# Allegro board HB1A-AAFM.brd (continued)
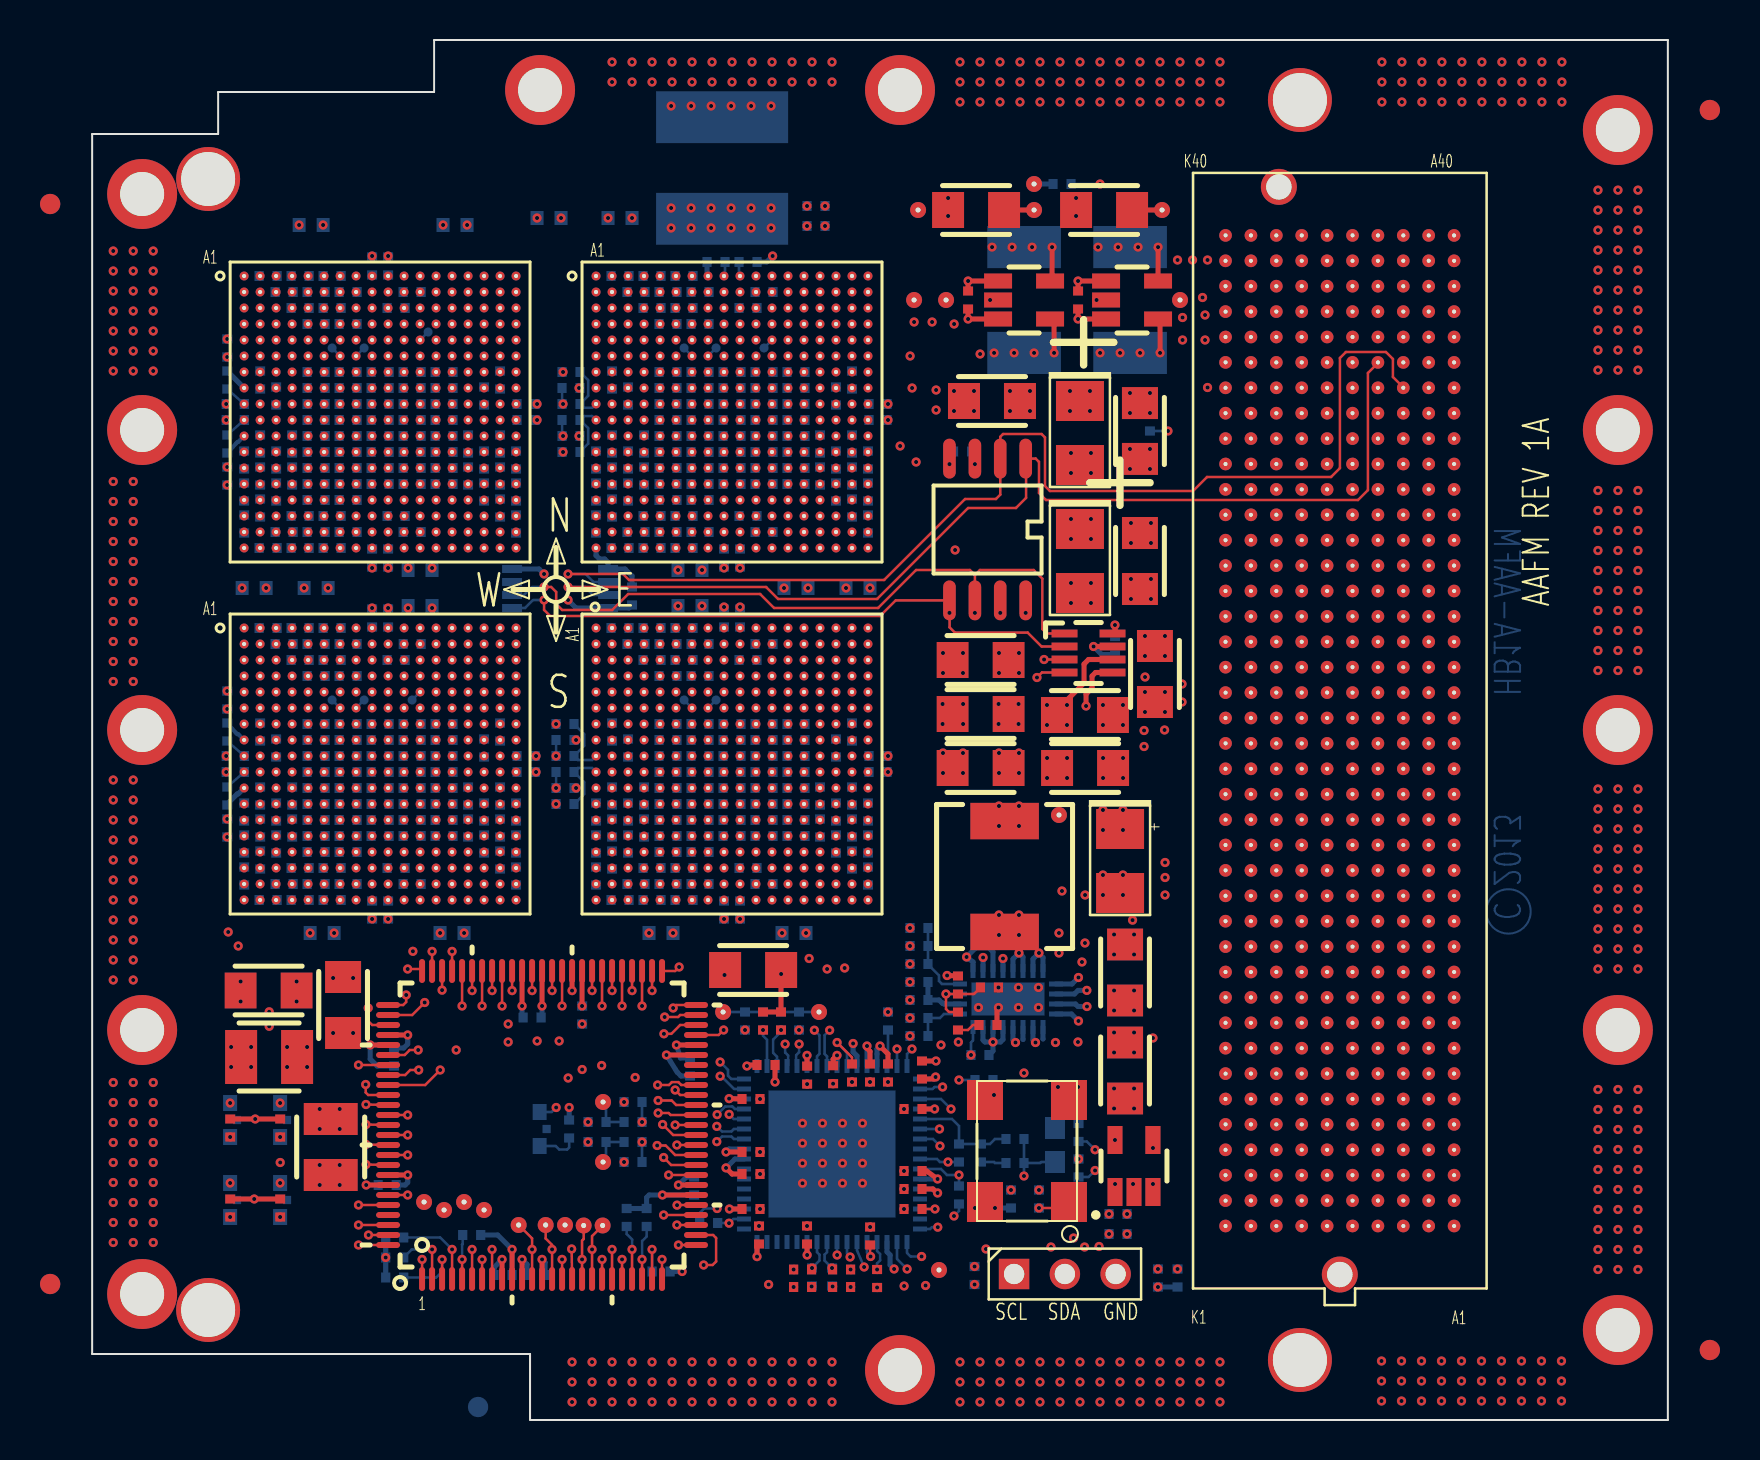
[diagram p0: board, top side]
## Routing (per net, layer and track width the routed paths; a pad name or vN(x,y) marks a point on that pad's centre or on a via; arc(x,y) is an arc through that point) (continued)
  GND_L13 w0.254: U8.G10 32.72,34.48 ; U8.G10 32.72,35.12 ; U8.G10 32.08,35.12 ; U8.G10 32.08,34.48 ; U7.K7 12.73,32.73 ; U7.K7 12.07,32.73 ; U7.K7 12.07,32.08 ; U7.K7 12.73,32.08 ; 33.67,52.08 U4.G12 ; U4.G12 34.33,52.08 ; U4.G12 34.33,52.73 ; U4.G12 33.67,52.73 ; 63.91,39.79 P1.D25 ; P1.D25 64.69,40.57 ; P1.D25 64.69,39.79 ; P1.D25 63.91,40.57 ; 12.88,29.68 U7.N8 ; U7.N8 13.52,30.32 ; U7.N8 12.88,30.32 ; U7.N8 13.52,29.68 ; U7.R15 19.12,28.73 ; U7.R15 19.12,28.07 ; U7.R15 18.48,28.07 ; U7.R15 18.48,28.73 ; 61.37,11.36 P1.F2 ; P1.F2 62.15,11.36 ; P1.F2 62.15,10.58 ; P1.F2 61.37,10.58 ; 8.88,38.33 U7.C3 ; U7.C3 9.52,37.67 ; U7.C3 8.88,37.67 ; U7.C3 9.52,38.33 ; P1.K33 57.07,50.73 ; P1.K33 56.29,49.95 ; P1.K33 56.29,50.73 ; P1.K33 57.07,49.95 ; U3.T3 9.52,45.52 ; U3.T3 8.88,45.52 ; U3.T3 8.88,44.88 ; U3.T3 9.52,44.88 ; 63.91,20.74 P1.D10 ; P1.D10 64.69,21.52 ; P1.D10 63.91,21.52 ; P1.D10 64.69,20.74 ; 13.67,50.33 U3.K9 ; U3.K9 14.32,50.33 ; U3.K9 13.67,49.67 ; U3.K9 14.32,49.67 ; 11.27,30.32 U7.N6 ; U7.N6 11.27,29.68 ; U7.N6 11.92,29.68 ; U7.N6 11.92,30.32 ; U4.M13 35.12,48.08 ; U4.M13 35.12,48.73 ; U4.M13 34.47,48.08 ; U4.M13 34.47,48.73 ; U8.U2 26.32,27.12 ; U8.U2 25.67,27.12 ; U8.U2 26.32,26.48 ; U8.U2 25.67,26.48 ; 50.48,8 J1.3 ; J1.3 51.89,6.6 ; J1.3 51.89,8 ; J1.3 50.48,6.6 ; 58.83,46.14 P1.H30 ; P1.H30 58.83,46.92 ; P1.H30 59.61,46.14 ; P1.H30 59.61,46.92 ; 12.88,43.92 U3.V8 ; U3.V8 12.88,43.27 ; U3.V8 13.52,43.27 ; U3.V8 13.52,43.92 ; U8.G6 29.52,35.12 ; U8.G6 29.52,34.48 ; U8.G6 28.88,35.12 ; U8.G6 28.88,34.48 ; U3.U2 8.73,44.08 ; U3.U2 8.07,44.73 ; U3.U2 8.07,44.08 ; U3.U2 8.73,44.73 ; 17.67,54.33 U3.E14 ; U3.E14 18.32,54.33 ; U3.E14 17.67,53.67 ; U3.E14 18.32,53.67 ; 61.37,23.28 P1.F12 ; P1.F12 62.15,23.28 ; P1.F12 62.15,24.06 ; P1.F12 61.37,24.06 ; 16.07,52.08 U3.G12 ; U3.G12 16.73,52.08 ; U3.G12 16.73,52.73 ; U3.G12 16.07,52.73 ; P1.A24 68.5,38.52 ; P1.A24 67.72,39.3 ; P1.A24 67.72,38.52 ; P1.A24 68.5,39.3 ; P1.A12 68.5,23.28 ; P1.A12 67.72,24.06 ; P1.A12 68.5,24.06 ; P1.A12 67.72,23.28 ; U8.P7 30.32,29.52 ; U8.P7 29.67,28.88 ; U8.P7 29.67,29.52 ; U8.P7 30.32,28.88 ; 28.07,31.12 U8.M5 ; U8.M5 28.72,31.12 ; U8.M5 28.72,30.48 ; U8.M5 28.07,30.48 ; U4.M11 33.52,48.08 ; U4.M11 32.88,48.08 ; U4.M11 33.52,48.73 ; U4.M11 32.88,48.73 ; P1.C12 65.96,23.28 ; P1.C12 65.18,24.06 ; P1.C12 65.96,24.06 ; P1.C12 65.18,23.28 ; 31.27,32.08 U8.K9 ; U8.K9 31.92,32.08 ; U8.K9 31.27,32.73 ; U8.K9 31.92,32.73 ; 62.64,22.79 P1.E11 ; P1.E11 63.42,22.79 ; P1.E11 63.42,22.01 ; P1.E11 62.64,22.01 ; 16.88,34.33 U7.H13 ; U7.H13 17.52,34.33 ; U7.H13 16.88,33.67 ; U7.H13 17.52,33.67 ; 57.56,29.63 P1.J17 ; P1.J17 58.34,29.63 ; P1.J17 58.34,30.41 ; P1.J17 57.56,30.41 ; U3.A18 21.52,56.88 ; U3.A18 21.52,57.52 ; U3.A18 20.88,56.88 ; U3.A18 20.88,57.52 ; 14.48,51.12 U3.J10 ; U3.J10 15.12,50.48 ; U3.J10 14.48,50.48 ; U3.J10 15.12,51.12 ; U4.N12 34.33,47.92 ; U4.N12 33.67,47.92 ; U4.N12 34.33,47.27 ; U4.N12 33.67,47.27 ; 65.18,58.84 P1.C40 ; P1.C40 65.96,58.84 ; P1.C40 65.18,59.62 ; P1.C40 65.96,59.62 ; 8.07,38.48 U7.B2 ; U7.B2 8.73,39.12 ; U7.B2 8.07,39.12 ; U7.B2 8.73,38.48 ; U4.K13 35.12,50.33 ; U4.K13 34.47,49.67 ; U4.K13 34.47,50.33 ; U4.K13 35.12,49.67 ; 16.88,36.08 U7.E13 ; U7.E13 16.88,36.73 ; U7.E13 17.52,36.08 ; U7.E13 17.52,36.73 ; U3.F13 17.52,53.52 ; U3.F13 16.88,52.88 ; U3.F13 17.52,52.88 ; U3.F13 16.88,53.52 ; 62.64,15.17 P1.E5 ; P1.E5 62.64,14.39 ; P1.E5 63.42,14.39 ; P1.E5 63.42,15.17 ; U4.V1 25.52,43.27 ; U4.V1 24.88,43.92 ; U4.V1 24.88,43.27 ; U4.V1 25.52,43.92 ; 11.27,31.27 U7.L6 ; U7.L6 11.27,31.93 ; U7.L6 11.92,31.93 ; U7.L6 11.92,31.27 ; 61.37,50.73 P1.F33 ; P1.F33 62.15,49.95 ; P1.F33 62.15,50.73 ; P1.F33 61.37,49.95 ; U7.H7 12.73,34.33 ; U7.H7 12.07,33.67 ; U7.H7 12.07,34.33 ; U7.H7 12.73,33.67 ; P1.F15 62.15,27.09 ; P1.F15 62.15,27.87 ; P1.F15 61.37,27.87 ; P1.F15 61.37,27.09 ; 36.88,37.67 U8.C16 ; U8.C16 36.88,38.33 ; U8.C16 37.52,37.67 ; U8.C16 37.52,38.33 ; U3.H13 17.52,51.27 ; U3.H13 17.52,51.92 ; U3.H13 16.88,51.27 ; U3.H13 16.88,51.92 ; 66.45,16.93 P1.B7 ; P1.B7 67.23,16.93 ; P1.B7 66.45,17.71 ; P1.B7 67.23,17.71 ; 13.67,48.08 U3.M9 ; U3.M9 14.32,48.08 ; U3.M9 14.32,48.73 ; U3.M9 13.67,48.73 ; U3.N6 11.92,47.92 ; U3.N6 11.92,47.27 ; U3.N6 11.27,47.92 ; U3.N6 11.27,47.27 ; 14.48,31.93 U7.L10 ; U7.L10 15.12,31.27 ; U7.L10 15.12,31.93 ; U7.L10 14.48,31.27 ; U8.V18 39.12,26.32 ; U8.V18 39.12,25.68 ; U8.V18 38.47,26.32 ; U8.V18 38.47,25.68 ; 63.91,43.6 P1.D28 ; P1.D28 63.91,44.38 ; P1.D28 64.69,44.38 ; P1.D28 64.69,43.6 ; 29.67,33.67 U8.H7 ; U8.H7 30.32,33.67 ; U8.H7 30.32,34.33 ; U8.H7 29.67,34.33 ; U7.P13 17.52,29.52 ; U7.P13 17.52,28.88 ; U7.P13 16.88,29.52 ; U7.P13 16.88,28.88 ; 66.45,11.36 P1.B2 ; P1.B2 66.45,10.58 ; P1.B2 67.23,11.36 ; P1.B2 67.23,10.58 ; U8.K7 30.32,32.08 ; U8.K7 29.67,32.08 ; U8.K7 29.67,32.73 ; U8.K7 30.32,32.73 ; 29.67,31.12 U8.M7 ; U8.M7 30.32,31.12 ; U8.M7 29.67,30.48 ; U8.M7 30.32,30.48 ; 34.47,53.67 U4.E13 ; U4.E13 34.47,54.33 ; U4.E13 35.12,53.67 ; U4.E13 35.12,54.33 ; U3.P7 12.73,47.12 ; U3.P7 12.07,47.12 ; U3.P7 12.73,46.48 ; U3.P7 12.07,46.48 ; U3.G10 15.12,52.08 ; U3.G10 14.48,52.08 ; U3.G10 15.12,52.73 ; U3.G10 14.48,52.73 ; 15.27,50.33 U3.K11 ; U3.K11 15.92,49.67 ; U3.K11 15.27,49.67 ; U3.K11 15.92,50.33 ; P1.A25 68.5,39.79 ; P1.A25 68.5,40.57 ; P1.A25 67.72,40.57 ; P1.A25 67.72,39.79 ; P1.G17 60.88,29.63 ; P1.G17 60.1,30.41 ; P1.G17 60.88,30.41 ; P1.G17 60.1,29.63 ; U4.L8 31.12,49.52 ; U4.L8 30.47,48.88 ; U4.L8 31.12,48.88 ; U4.L8 30.47,49.52 ; P1.B15 67.23,27.87 ; P1.B15 66.45,27.09 ; P1.B15 67.23,27.09 ; P1.B15 66.45,27.87 ; 28.88,54.33 U4.E6 ; U4.E6 29.52,53.67 ; U4.E6 29.52,54.33 ; U4.E6 28.88,53.67 ; P1.A1 68.5,10.09 ; P1.A1 67.72,9.31 ; P1.A1 67.72,10.09 ; P1.A1 68.5,9.31 ; P1.A21 68.5,34.71 ; P1.A21 67.72,34.71 ; P1.A21 67.72,35.49 ; P1.A21 68.5,35.49 ; U8.K5 28.72,32.73 ; U8.K5 28.07,32.73 ; U8.K5 28.07,32.08 ; U8.K5 28.72,32.08 ; U4.K9 31.92,50.33 ; U4.K9 31.27,49.67 ; U4.K9 31.27,50.33 ; U4.K9 31.92,49.67 ; 16.07,30.32 U7.N12 ; U7.N12 16.07,29.68 ; U7.N12 16.73,30.32 ; U7.N12 16.73,29.68 ; U8.E13 35.12,36.73 ; U8.E13 34.47,36.73 ; U8.E13 34.47,36.08 ; U8.E13 35.12,36.08 ; U7.R4 10.32,28.73 ; U7.R4 9.67,28.73 ; U7.R4 10.32,28.07 ; U7.R4 9.67,28.07 ; P1.A16 68.5,29.14 ; P1.A16 67.72,28.36 ; P1.A16 67.72,29.14 ; P1.A16 68.5,28.36 ; 28.88,35.27 U8.F6 ; U8.F6 28.88,35.92 ; U8.F6 29.52,35.27 ; U8.F6 29.52,35.92 ; 34.47,51.27 U4.H13 ; U4.H13 35.12,51.92 ; U4.H13 35.12,51.27 ; U4.H13 34.47,51.92 ; U8.D4 27.92,36.88 ; U8.D4 27.27,37.52 ; U8.D4 27.27,36.88 ; U8.D4 27.92,37.52 ; P1.E20 63.42,34.22 ; P1.E20 62.64,34.22 ; P1.E20 62.64,33.44 ; P1.E20 63.42,33.44 ; P1.E26 63.42,41.06 ; P1.E26 62.64,41.84 ; P1.E26 62.64,41.06 ; P1.E26 63.42,41.84 ; P1.K9 57.07,20.25 ; P1.K9 56.29,19.47 ; P1.K9 56.29,20.25 ; P1.K9 57.07,19.47 ; 35.27,32.88 U8.J14 ; U8.J14 35.92,32.88 ; U8.J14 35.27,33.52 ; U8.J14 35.92,33.52 ; 15.27,48.08 U3.M11 ; U3.M11 15.27,48.73 ; U3.M11 15.92,48.08 ; U3.M11 15.92,48.73 ; U4.C16 37.52,55.27 ; U4.C16 36.88,55.92 ; U4.C16 36.88,55.27 ; U4.C16 37.52,55.92 ; U4.T16 37.52,45.52 ; U4.T16 36.88,45.52 ; U4.T16 37.52,44.88 ; U4.T16 36.88,44.88 ; 31.27,31.12 U8.M9 ; U8.M9 31.92,30.48 ; U8.M9 31.27,30.48 ; U8.M9 31.92,31.12 ; 34.47,52.88 U4.F13 ; U4.F13 34.47,53.52 ; U4.F13 35.12,52.88 ; U4.F13 35.12,53.52 ; P1.J38 58.34,57.08 ; P1.J38 57.56,56.3 ; P1.J38 57.56,57.08 ; P1.J38 58.34,56.3 ; U7.V8 13.52,25.68 ; U7.V8 13.52,26.32 ; U7.V8 12.88,25.68 ; U7.V8 12.88,26.32 ; U7.L8 13.52,31.93 ; U7.L8 13.52,31.27 ; U7.L8 12.88,31.27 ; U7.L8 12.88,31.93 ; 37.67,44.08 U4.U17 ; U4.U17 37.67,44.73 ; U4.U17 38.33,44.73 ; U4.U17 38.33,44.08 ; 28.88,50.48 U4.J6 ; U4.J6 29.52,50.48 ; U4.J6 29.52,51.12 ; U4.J6 28.88,51.12 ; 28.07,51.92 U4.H5 ; U4.H5 28.72,51.92 ; U4.H5 28.07,51.27 ; U4.H5 28.72,51.27 ; 57.56,41.84 P1.J26 ; P1.J26 58.34,41.06 ; P1.J26 58.34,41.84 ; P1.J26 57.56,41.06 ; P1.D2 64.69,10.58 ; P1.D2 63.91,10.58 ; P1.D2 63.91,11.36 ; P1.D2 64.69,11.36 ; 30.47,30.32 U8.N8 ; U8.N8 31.12,29.68 ; U8.N8 31.12,30.32 ; U8.N8 30.47,29.68 ; U7.P5 11.12,29.52 ; U7.P5 10.48,29.52 ; U7.P5 11.12,28.88 ; U7.P5 10.48,28.88 ; 65.18,34.71 P1.C21 ; P1.C21 65.96,34.71 ; P1.C21 65.18,35.49 ; P1.C21 65.96,35.49 ; U7.T16 19.92,27.27 ; U7.T16 19.92,27.93 ; U7.T16 19.27,27.93 ; U7.T16 19.27,27.27 ; P1.H3 59.61,11.85 ; P1.H3 58.83,11.85 ; P1.H3 59.61,12.63 ; P1.H3 58.83,12.63 ; 32.08,47.92 U4.N10 ; U4.N10 32.72,47.92 ; U4.N10 32.08,47.27 ; U4.N10 32.72,47.27 ; U3.N12 16.73,47.27 ; U3.N12 16.07,47.92 ; U3.N12 16.73,47.92 ; U3.N12 16.07,47.27 ; U3.F6 11.92,52.88 ; U3.F6 11.27,53.52 ; U3.F6 11.27,52.88 ; U3.F6 11.92,53.52 ; P1.C32 65.96,48.68 ; P1.C32 65.18,48.68 ; P1.C32 65.18,49.46 ; P1.C32 65.96,49.46 ; P1.B23 67.23,37.25 ; P1.B23 67.23,38.03 ; P1.B23 66.45,38.03 ; P1.B23 66.45,37.25 ; 17.67,52.73 U3.G14 ; U3.G14 17.67,52.08 ; U3.G14 18.32,52.08 ; U3.G14 18.32,52.73 ; 67.72,24.55 P1.A13 ; P1.A13 68.5,25.33 ; P1.A13 68.5,24.55 ; P1.A13 67.72,25.33 ; U7.M7 12.73,30.48 ; U7.M7 12.07,31.12 ; U7.M7 12.07,30.48 ; U7.M7 12.73,31.12 ; U7.J8 13.52,32.88 ; U7.J8 12.88,32.88 ; U7.J8 13.52,33.52 ; U7.J8 12.88,33.52 ; U8.E6 29.52,36.73 ; U8.E6 28.88,36.08 ; U8.E6 28.88,36.73 ; U8.E6 29.52,36.08 ; 20.88,33.67 U7.H18 ; U7.H18 20.88,34.33 ; U7.H18 21.52,33.67 ; U7.H18 21.52,34.33 ; P1.C13 65.96,24.55 ; P1.C13 65.96,25.33 ; P1.C13 65.18,24.55 ; P1.C13 65.18,25.33 ; P1.K6 57.07,15.66 ; P1.K6 56.29,16.44 ; P1.K6 57.07,16.44 ; P1.K6 56.29,15.66 ; 17.67,50.48 U3.J14 ; U3.J14 17.67,51.12 ; U3.J14 18.32,50.48 ; U3.J14 18.32,51.12 ; U3.K13 17.52,50.33 ; U3.K13 16.88,49.67 ; U3.K13 16.88,50.33 ; U3.K13 17.52,49.67 ; U7.V11 15.92,25.68 ; U7.V11 15.27,25.68 ; U7.V11 15.92,26.32 ; U7.V11 15.27,26.32 ; 65.18,39.3 P1.C24 ; P1.C24 65.96,38.52 ; P1.C24 65.18,38.52 ; P1.C24 65.96,39.3 ; P1.F27 62.15,43.11 ; P1.F27 62.15,42.33 ; P1.F27 61.37,43.11 ; P1.F27 61.37,42.33 ; U8.R4 27.92,28.07 ; U8.R4 27.27,28.73 ; U8.R4 27.27,28.07 ; U8.R4 27.92,28.73 ; P1.H15 59.61,27.09 ; P1.H15 58.83,27.87 ; P1.H15 58.83,27.09 ; P1.H15 59.61,27.87 ; 24.88,31.93 U8.L1 ; U8.L1 25.52,31.93 ; U8.L1 24.88,31.27 ; U8.L1 25.52,31.27 ; U7.G6 11.92,34.48 ; U7.G6 11.92,35.12 ; U7.G6 11.27,34.48 ; U7.G6 11.27,35.12 ; U4.K7 30.32,50.33 ; U4.K7 30.32,49.67 ; U4.K7 29.67,50.33 ; U4.K7 29.67,49.67 ; U4.J8 31.12,50.48 ; U4.J8 30.47,50.48 ; U4.J8 31.12,51.12 ; U4.J8 30.47,51.12 ; U8.E14 35.92,36.08 ; U8.E14 35.27,36.08 ; U8.E14 35.27,36.73 ; U8.E14 35.92,36.73 ; U7.A8 13.52,39.92 ; U7.A8 12.88,39.92 ; U7.A8 13.52,39.27 ; U7.A8 12.88,39.27 ; 7.27,48.88 U3.L1 ; U3.L1 7.92,48.88 ; U3.L1 7.27,49.52 ; U3.L1 7.92,49.52 ; U4.V11 33.52,43.92 ; U4.V11 32.88,43.92 ; U4.V11 32.88,43.27 ; U4.V11 33.52,43.27 ; U4.L6 29.52,49.52 ; U4.L6 28.88,49.52 ; U4.L6 29.52,48.88 ; U4.L6 28.88,48.88 ; 8.88,27.27 U7.T3 ; U7.T3 8.88,27.93 ; U7.T3 9.52,27.27 ; U7.T3 9.52,27.93 ; U8.N6 29.52,29.68 ; U8.N6 28.88,29.68 ; U8.N6 28.88,30.32 ; U8.N6 29.52,30.32 ; P1.E38 63.42,57.08 ; P1.E38 63.42,56.3 ; P1.E38 62.64,57.08 ; P1.E38 62.64,56.3 ; 12.07,49.67 U3.K7 ; U3.K7 12.73,50.33 ; U3.K7 12.73,49.67 ; U3.K7 12.07,50.33 ; U4.M7 30.32,48.73 ; U4.M7 29.67,48.73 ; U4.M7 29.67,48.08 ; U4.M7 30.32,48.08 ; U4.L1 25.52,49.52 ; U4.L1 24.88,49.52 ; U4.L1 24.88,48.88 ; U4.L1 25.52,48.88 ; P1.A17 68.5,29.63 ; P1.A17 68.5,30.41 ; P1.A17 67.72,29.63 ; P1.A17 67.72,30.41 ; 9.67,45.67 U3.R4 ; U3.R4 9.67,46.33 ; U3.R4 10.32,45.67 ; U3.R4 10.32,46.33 ; TP9.1 41.75,60.05 ; TP9.1 40.86,60.05 ; TP9.1 40.86,60.95 ; TP9.1 41.75,60.95 ; U4.E14 35.92,54.33 ; U4.E14 35.27,53.67 ; U4.E14 35.92,53.67 ; U4.E14 35.27,54.33 ; 17.67,34.48 U7.G14 ; U7.G14 18.32,34.48 ; U7.G14 18.32,35.12 ; U7.G14 17.67,35.12 ; 12.88,56.88 U3.A8 ; U3.A8 13.52,56.88 ; U3.A8 13.52,57.52 ; U3.A8 12.88,57.52 ; 8.07,26.48 U7.U2 ; U7.U2 8.07,27.12 ; U7.U2 8.73,27.12 ; U7.U2 8.73,26.48 ; U3.C3 9.52,55.27 ; U3.C3 8.88,55.27 ; U3.C3 8.88,55.92 ; U3.C3 9.52,55.92 ; U8.V11 33.52,26.32 ; U8.V11 33.52,25.68 ; U8.V11 32.88,25.68 ; U8.V11 32.88,26.32 ; P1.F3 62.15,11.85 ; P1.F3 62.15,12.63 ; P1.F3 61.37,11.85 ; P1.F3 61.37,12.63 ; 7.27,39.27 U7.A1 ; U7.A1 7.27,39.92 ; U7.A1 7.92,39.27 ; U7.A1 7.92,39.92 ; P1.D7 64.69,17.71 ; P1.D7 63.91,16.93 ; P1.D7 63.91,17.71 ; P1.D7 64.69,16.93 ; 16.88,54.33 U3.E13 ; U3.E13 16.88,53.67 ; U3.E13 17.52,53.67 ; U3.E13 17.52,54.33 ; U4.G6 29.52,52.08 ; U4.G6 28.88,52.73 ; U4.G6 28.88,52.08 ; U4.G6 29.52,52.73 ; U7.J14 18.32,33.52 ; U7.J14 17.67,33.52 ; U7.J14 17.67,32.88 ; U7.J14 18.32,32.88 ; 38.47,39.27 U8.A18 ; U8.A18 39.12,39.27 ; U8.A18 38.47,39.92 ; U8.A18 39.12,39.92 ; U8.G12 34.33,35.12 ; U8.G12 34.33,34.48 ; U8.G12 33.67,35.12 ; U8.G12 33.67,34.48 ; 61.37,54.54 P1.F36 ; P1.F36 61.37,53.76 ; P1.F36 62.15,53.76 ; P1.F36 62.15,54.54 ; P1.B3 67.23,11.85 ; P1.B3 66.45,11.85 ; P1.B3 67.23,12.63 ; P1.B3 66.45,12.63 ; P1.J14 58.34,25.82 ; P1.J14 57.56,26.6 ; P1.J14 57.56,25.82 ; P1.J14 58.34,26.6 ; P1.E14 63.42,26.6 ; P1.E14 62.64,25.82 ; P1.E14 63.42,25.82 ; P1.E14 62.64,26.6 ; U4.L14 35.92,49.52 ; U4.L14 35.27,48.88 ; U4.L14 35.27,49.52 ; U4.L14 35.92,48.88 ; 28.07,28.88 U8.P5 ; U8.P5 28.07,29.52 ; U8.P5 28.72,29.52 ; U8.P5 28.72,28.88 ; 10.48,46.48 U3.P5 ; U3.P5 11.12,47.12 ; U3.P5 11.12,46.48 ; U3.P5 10.48,47.12 ; 61.37,15.66 P1.F6 ; P1.F6 62.15,16.44 ; P1.F6 62.15,15.66 ; P1.F6 61.37,16.44 ; 60.1,58.84 P1.G40 ; P1.G40 60.88,58.84 ; P1.G40 60.1,59.62 ; P1.G40 60.88,59.62 ; 62.64,13.12 P1.E4 ; P1.E4 62.64,13.9 ; P1.E4 63.42,13.9 ; P1.E4 63.42,13.12 ; 28.07,52.88 U4.F5 ; U4.F5 28.07,53.52 ; U4.F5 28.72,52.88 ; U4.F5 28.72,53.52 ; U8.H18 39.12,34.33 ; U8.H18 38.47,33.67 ; U8.H18 39.12,33.67 ; U8.H18 38.47,34.33 ; P1.B39 67.23,57.57 ; P1.B39 66.45,57.57 ; P1.B39 66.45,58.35 ; P1.B39 67.23,58.35 ; P1.G1 60.88,9.31 ; P1.G1 60.1,9.31 ; P1.G1 60.88,10.09 ; P1.G1 60.1,10.09 ; 12.88,49.52 U3.L8 ; U3.L8 13.52,49.52 ; U3.L8 13.52,48.88 ; U3.L8 12.88,48.88 ; 31.27,51.92 U4.H9 ; U4.H9 31.27,51.27 ; U4.H9 31.92,51.27 ; U4.H9 31.92,51.92 ; P1.J8 58.34,18.98 ; P1.J8 58.34,18.2 ; P1.J8 57.56,18.2 ; P1.J8 57.56,18.98 ; P1.B14 67.23,25.82 ; P1.B14 66.45,26.6 ; P1.B14 66.45,25.82 ; P1.B14 67.23,26.6 ; 38.47,43.27 U4.V18 ; U4.V18 39.12,43.27 ; U4.V18 39.12,43.92 ; U4.V18 38.47,43.92 ; U8.E5 28.72,36.08 ; U8.E5 28.07,36.08 ; U8.E5 28.72,36.73 ; U8.E5 28.07,36.73 ; 56.29,54.54 P1.K36 ; P1.K36 57.07,54.54 ; P1.K36 57.07,53.76 ; P1.K36 56.29,53.76 ; 57.56,22.79 P1.J11 ; P1.J11 57.56,22.01 ; P1.J11 58.34,22.01 ; P1.J11 58.34,22.79 ; 65.18,56.3 P1.C38 ; P1.C38 65.96,57.08 ; P1.C38 65.18,57.08 ; P1.C38 65.96,56.3 ; 35.27,52.88 U4.F14 ; U4.F14 35.92,52.88 ; U4.F14 35.27,53.52 ; U4.F14 35.92,53.52 ; 30.47,47.92 U4.N8 ; U4.N8 31.12,47.27 ; U4.N8 31.12,47.92 ; U4.N8 30.47,47.27 ; 63.91,16.44 P1.D6 ; P1.D6 64.69,16.44 ; P1.D6 64.69,15.66 ; P1.D6 63.91,15.66 ; U3.P9 14.32,46.48 ; U3.P9 13.67,46.48 ; U3.P9 14.32,47.12 ; U3.P9 13.67,47.12 ; P1.A5 68.5,14.39 ; P1.A5 67.72,15.17 ; P1.A5 68.5,15.17 ; P1.A5 67.72,14.39 ; U3.H18 21.52,51.27 ; U3.H18 20.88,51.27 ; U3.H18 21.52,51.92 ; U3.H18 20.88,51.92 ; 31.27,46.48 U4.P9 ; U4.P9 31.92,46.48 ; U4.P9 31.27,47.12 ; U4.P9 31.92,47.12 ; U7.A11 15.92,39.27 ; U7.A11 15.27,39.92 ; U7.A11 15.27,39.27 ; U7.A11 15.92,39.92 ; U7.J12 16.73,32.88 ; U7.J12 16.07,32.88 ; U7.J12 16.73,33.52 ; U7.J12 16.07,33.52 ; U3.D4 10.32,55.12 ; U3.D4 10.32,54.48 ; U3.D4 9.67,54.48 ; U3.D4 9.67,55.12 ; U3.F5 11.12,52.88 ; U3.F5 11.12,53.52 ; U3.F5 10.48,52.88 ; U3.F5 10.48,53.52 ; P1.G35 60.88,52.49 ; P1.G35 60.1,53.27 ; P1.G35 60.88,53.27 ; P1.G35 60.1,52.49 ; 28.07,54.33 U4.E5 ; U4.E5 28.07,53.67 ; U4.E5 28.72,53.67 ; U4.E5 28.72,54.33 ; U7.K11 15.92,32.73 ; U7.K11 15.92,32.08 ; U7.K11 15.27,32.73 ; U7.K11 15.27,32.08 ; U7.L18 21.52,31.27 ; U7.L18 20.88,31.27 ; U7.L18 21.52,31.93 ; U7.L18 20.88,31.93 ; 34.47,32.73 U8.K13 ; U8.K13 35.12,32.73 ; U8.K13 35.12,32.08 ; U8.K13 34.47,32.08 ; 13.67,33.67 U7.H9 ; U7.H9 14.32,34.33 ; U7.H9 14.32,33.67 ; U7.H9 13.67,34.33 ; 28.88,31.93 U8.L6 ; U8.L6 28.88,31.27 ; U8.L6 29.52,31.93 ; U8.L6 29.52,31.27 ; 11.27,51.12 U3.J6 ; U3.J6 11.92,51.12 ; U3.J6 11.92,50.48 ; U3.J6 11.27,50.48 ; U3.H11 15.92,51.92 ; U3.H11 15.27,51.92 ; U3.H11 15.92,51.27 ; U3.H11 15.27,51.27 ; U3.H9 14.32,51.27 ; U3.H9 14.32,51.92 ; U3.H9 13.67,51.27 ; U3.H9 13.67,51.92 ; U4.K11 33.52,49.67 ; U4.K11 32.88,50.33 ; U4.K11 33.52,50.33 ; U4.K11 32.88,49.67 ; U3.T16 19.92,45.52 ; U3.T16 19.27,44.88 ; U3.T16 19.27,45.52 ; U3.T16 19.92,44.88 ; 17.67,29.68 U7.N14 ; U7.N14 18.32,29.68 ; U7.N14 18.32,30.32 ; U7.N14 17.67,30.32 ; 9.67,37.52 U7.D4 ; U7.D4 10.32,36.88 ; U7.D4 10.32,37.52 ; U7.D4 9.67,36.88 ; 29.67,47.12 U4.P7 ; U4.P7 29.67,46.48 ; U4.P7 30.32,46.48 ; U4.P7 30.32,47.12 ; 57.56,13.9 P1.J4 ; P1.J4 58.34,13.12 ; P1.J4 58.34,13.9 ; P1.J4 57.56,13.12 ; U8.J6 29.52,33.52 ; U8.J6 29.52,32.88 ; U8.J6 28.88,33.52 ; U8.J6 28.88,32.88 ; 25.67,44.08 U4.U2 ; U4.U2 26.32,44.08 ; U4.U2 26.32,44.73 ; U4.U2 25.67,44.73 ; P1.B6 67.23,15.66 ; P1.B6 66.45,16.44 ; P1.B6 67.23,16.44 ; P1.B6 66.45,15.66 ; 56.29,43.11 P1.K27 ; P1.K27 57.07,43.11 ; P1.K27 56.29,42.33 ; P1.K27 57.07,42.33 ; 63.91,28.36 P1.D16 ; P1.D16 64.69,29.14 ; P1.D16 64.69,28.36 ; P1.D16 63.91,29.14 ; U7.V18 21.52,26.32 ; U7.V18 21.52,25.68 ; U7.V18 20.88,25.68 ; U7.V18 20.88,26.32 ; 11.27,52.73 U3.G6 ; U3.G6 11.92,52.08 ; U3.G6 11.92,52.73 ; U3.G6 11.27,52.08 ; U4.A11 33.52,57.52 ; U4.A11 33.52,56.88 ; U4.A11 32.88,56.88 ; U4.A11 32.88,57.52 ; P1.C1 65.96,10.09 ; P1.C1 65.96,9.31 ; P1.C1 65.18,9.31 ; P1.C1 65.18,10.09 ; 17.67,31.93 U7.L14 ; U7.L14 17.67,31.27 ; U7.L14 18.32,31.93 ; U7.L14 18.32,31.27 ; P1.G11 60.88,22.79 ; P1.G11 60.88,22.01 ; P1.G11 60.1,22.79 ; P1.G11 60.1,22.01 ; P1.H9 59.61,20.25 ; P1.H9 58.83,20.25 ; P1.H9 59.61,19.47 ; P1.H9 58.83,19.47 ; 20.88,43.92 U3.V18 ; U3.V18 21.52,43.92 ; U3.V18 20.88,43.27 ; U3.V18 21.52,43.27 ; 63.91,55.03 P1.D37 ; P1.D37 63.91,55.81 ; P1.D37 64.69,55.81 ; P1.D37 64.69,55.03 ; 66.45,22.79 P1.B11 ; P1.B11 66.45,22.01 ; P1.B11 67.23,22.01 ; P1.B11 67.23,22.79 ; P1.C9 65.96,20.25 ; P1.C9 65.18,19.47 ; P1.C9 65.18,20.25 ; P1.C9 65.96,19.47 ; U8.D15 36.72,37.52 ; U8.D15 36.08,36.88 ; U8.D15 36.08,37.52 ; U8.D15 36.72,36.88 ; P1.K24 57.07,38.52 ; P1.K24 56.29,39.3 ; P1.K24 56.29,38.52 ; P1.K24 57.07,39.3 ; P1.H33 59.61,50.73 ; P1.H33 58.83,50.73 ; P1.H33 58.83,49.95 ; P1.H33 59.61,49.95 ; 30.47,52.08 U4.G8 ; U4.G8 31.12,52.08 ; U4.G8 31.12,52.73 ; U4.G8 30.47,52.73 ; 57.56,38.03 P1.J23 ; P1.J23 58.34,37.25 ; P1.J23 57.56,37.25 ; P1.J23 58.34,38.03 ; P1.H21 59.61,34.71 ; P1.H21 58.83,34.71 ; P1.H21 59.61,35.49 ; P1.H21 58.83,35.49 ; 62.64,58.84 P1.E40 ; P1.E40 62.64,59.62 ; P1.E40 63.42,59.62 ; P1.E40 63.42,58.84 ; P1.K21 57.07,35.49 ; P1.K21 57.07,34.71 ; P1.K21 56.29,34.71 ; P1.K21 56.29,35.49 ; 18.48,45.67 U3.R15 ; U3.R15 19.12,45.67 ; U3.R15 18.48,46.33 ; U3.R15 19.12,46.33 ; 62.64,49.46 P1.E32 ; P1.E32 63.42,49.46 ; P1.E32 62.64,48.68 ; P1.E32 63.42,48.68 ; 24.88,33.67 U8.H1 ; U8.H1 25.52,33.67 ; U8.H1 24.88,34.33 ; U8.H1 25.52,34.33 ; 17.67,53.52 U3.F14 ; U3.F14 18.32,53.52 ; U3.F14 18.32,52.88 ; U3.F14 17.67,52.88 ; U3.H1 7.92,51.92 ; U3.H1 7.92,51.27 ; U3.H1 7.27,51.27 ; U3.H1 7.27,51.92 ; U8.B17 38.33,39.12 ; U8.B17 38.33,38.48 ; U8.B17 37.67,38.48 ; U8.B17 37.67,39.12 ; 60.1,57.08 P1.G38 ; P1.G38 60.88,57.08 ; P1.G38 60.1,56.3 ; P1.G38 60.88,56.3 ; 34.47,35.92 U8.F13 ; U8.F13 35.12,35.92 ; U8.F13 34.47,35.27 ; U8.F13 35.12,35.27 ; 14.48,35.12 U7.G10 ; U7.G10 15.12,34.48 ; U7.G10 15.12,35.12 ; U7.G10 14.48,34.48 ; P1.K15 57.07,27.09 ; P1.K15 57.07,27.87 ; P1.K15 56.29,27.87 ; P1.K15 56.29,27.09 ; 36.08,55.12 U4.D15 ; U4.D15 36.72,54.48 ; U4.D15 36.08,54.48 ; U4.D15 36.72,55.12 ; P1.G20 60.88,34.22 ; P1.G20 60.1,34.22 ; P1.G20 60.88,33.44 ; P1.G20 60.1,33.44 ; 33.67,32.88 U8.J12 ; U8.J12 34.33,32.88 ; U8.J12 33.67,33.52 ; U8.J12 34.33,33.52 ; U3.B2 8.73,56.73 ; U3.B2 8.07,56.73 ; U3.B2 8.07,56.08 ; U3.B2 8.73,56.08 ; U7.K9 14.32,32.08 ; U7.K9 13.67,32.73 ; U7.K9 13.67,32.08 ; U7.K9 14.32,32.73 ; 16.07,35.12 U7.G12 ; U7.G12 16.73,35.12 ; U7.G12 16.73,34.48 ; U7.G12 16.07,34.48 ; 66.45,35.98 P1.B22 ; P1.B22 67.23,35.98 ; P1.B22 67.23,36.76 ; P1.B22 